# Altium PCB pcb.PcbDoc
Units mm, origin at the board's own origin, x right, y up, seen from the top; angles counter-clockwise.
Board outline 55 x 42 mm, 4 copper layers (Top Layer, MID1, MID2, Bottom Layer), stack 1.579 mm thick; 67 components, 39 nets, 252 pads, 61 vias.
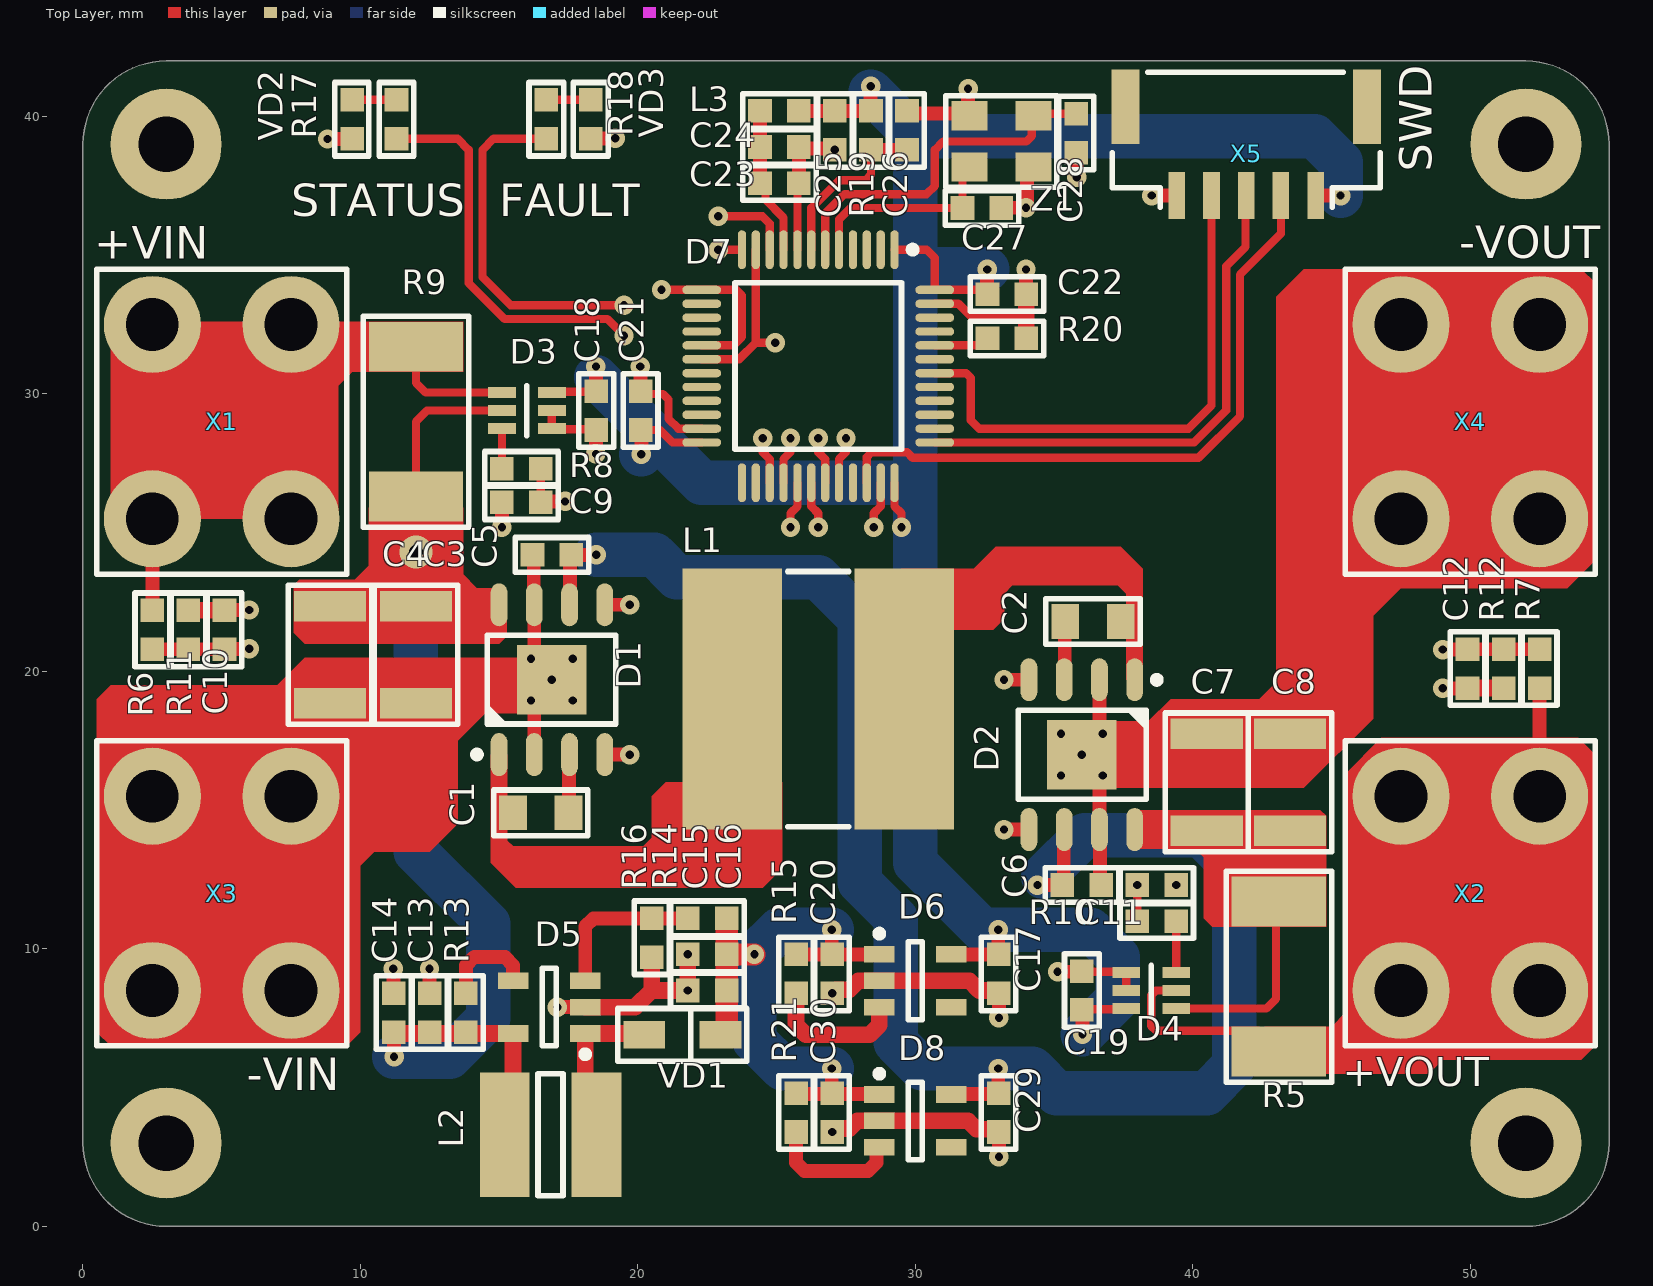
[diagram p0: Top Layer view]
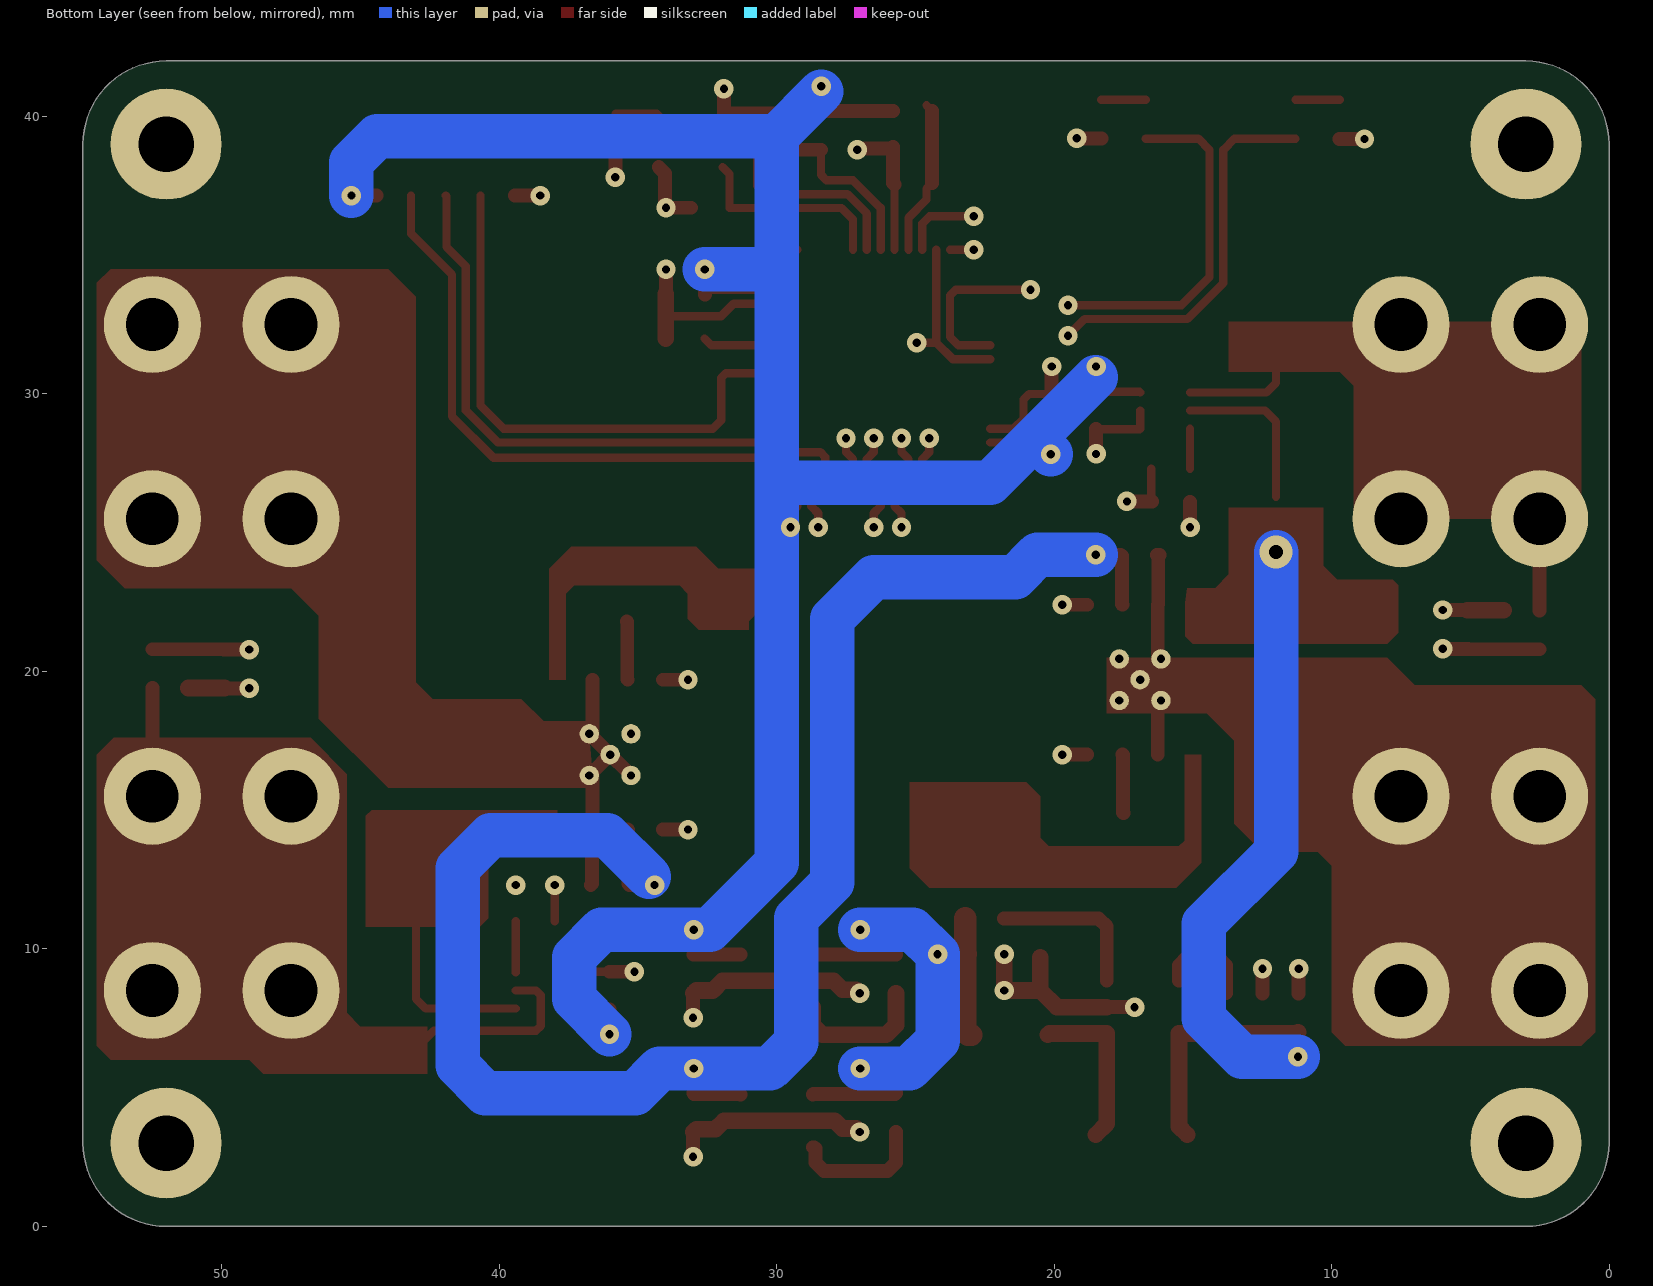
[diagram p1: Bottom Layer view, seen from below]
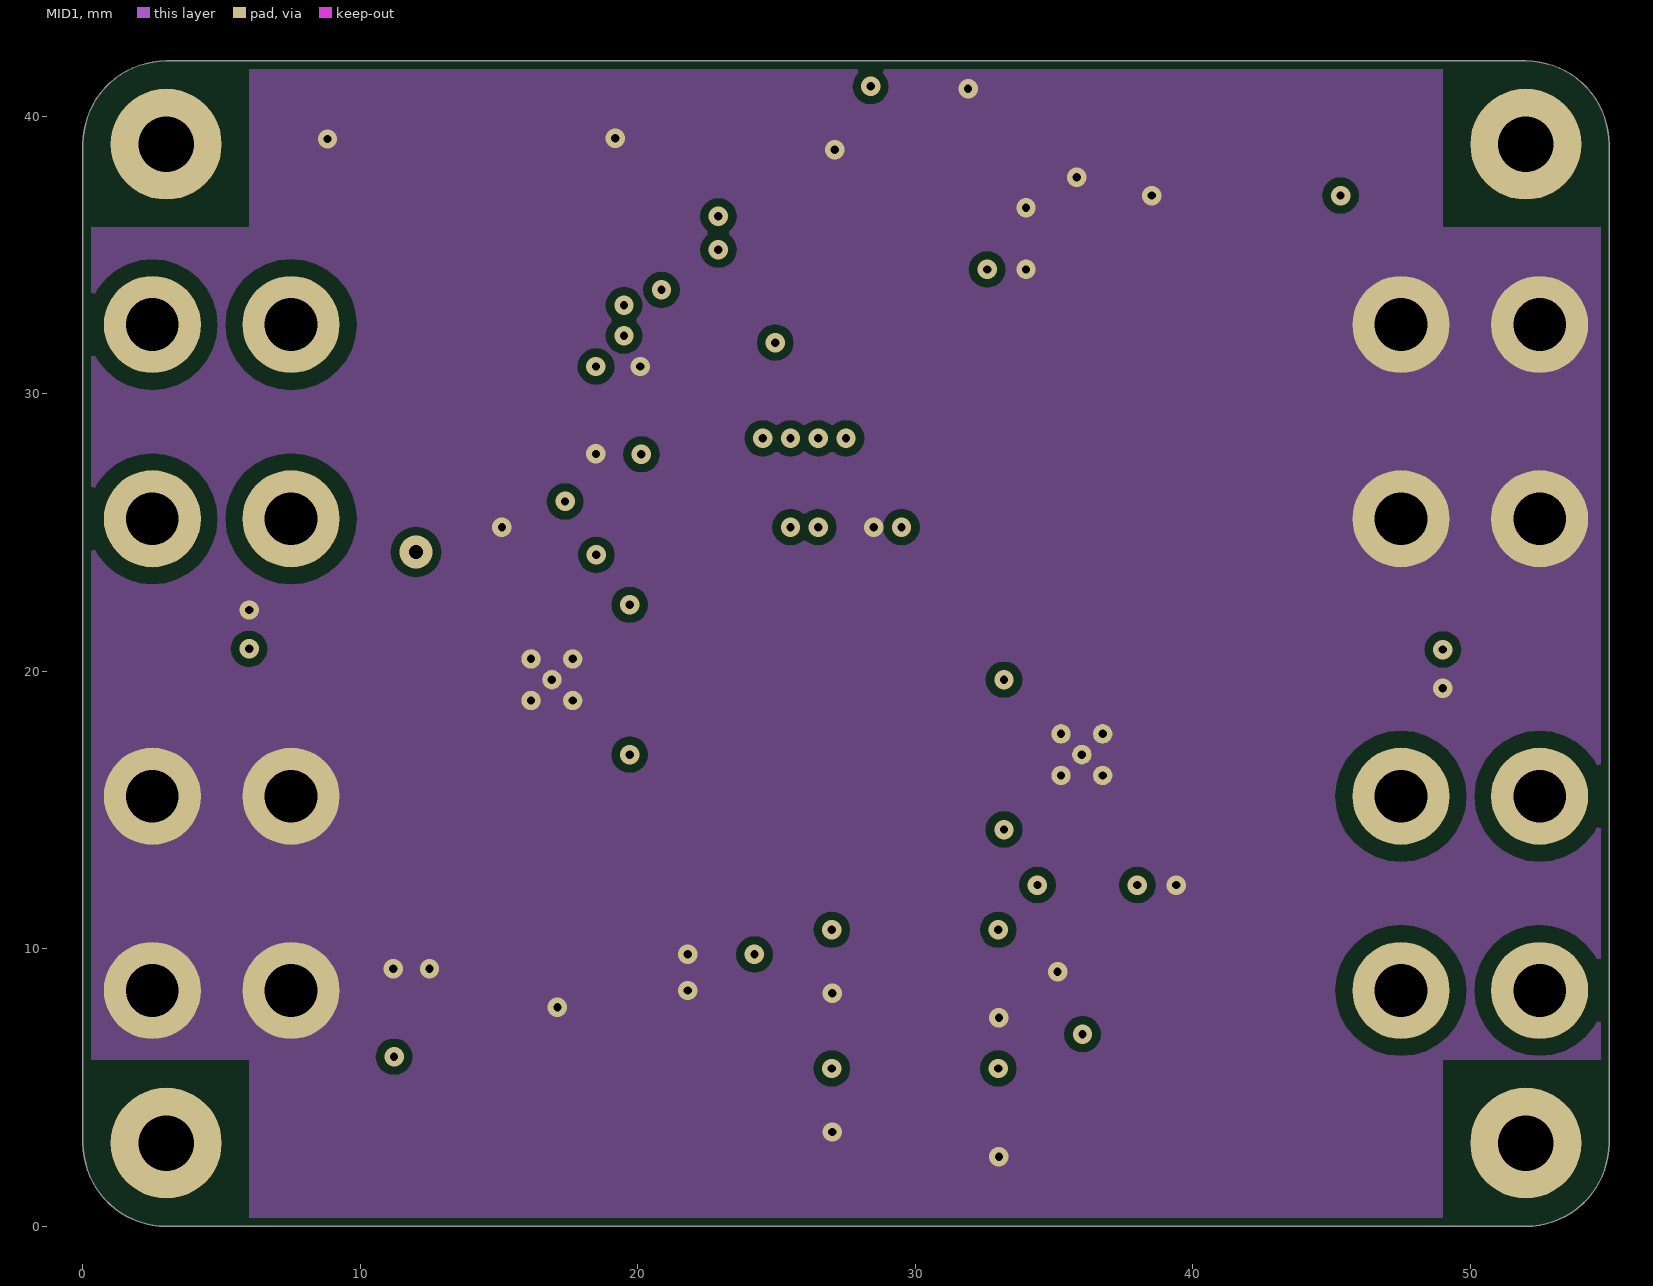
[diagram p2: MID1]
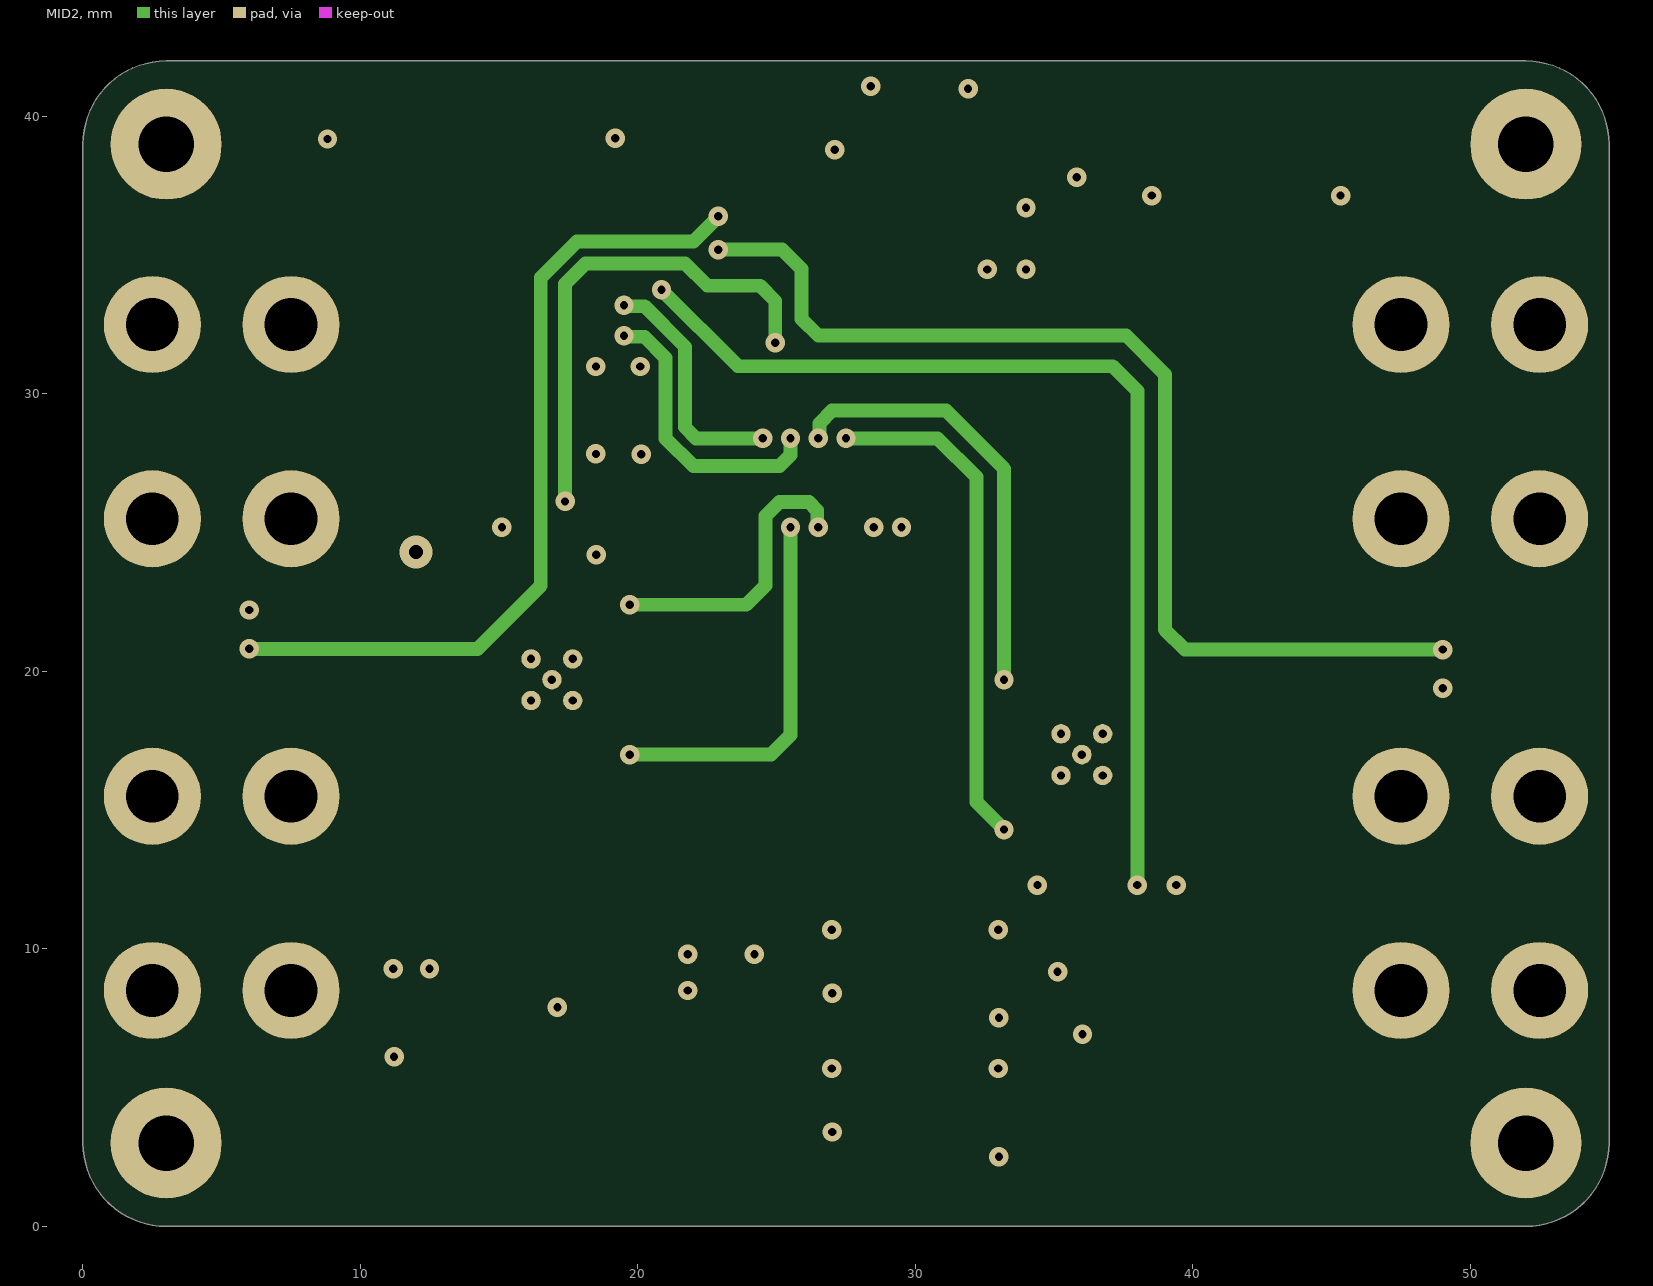
[diagram p3: MID2]
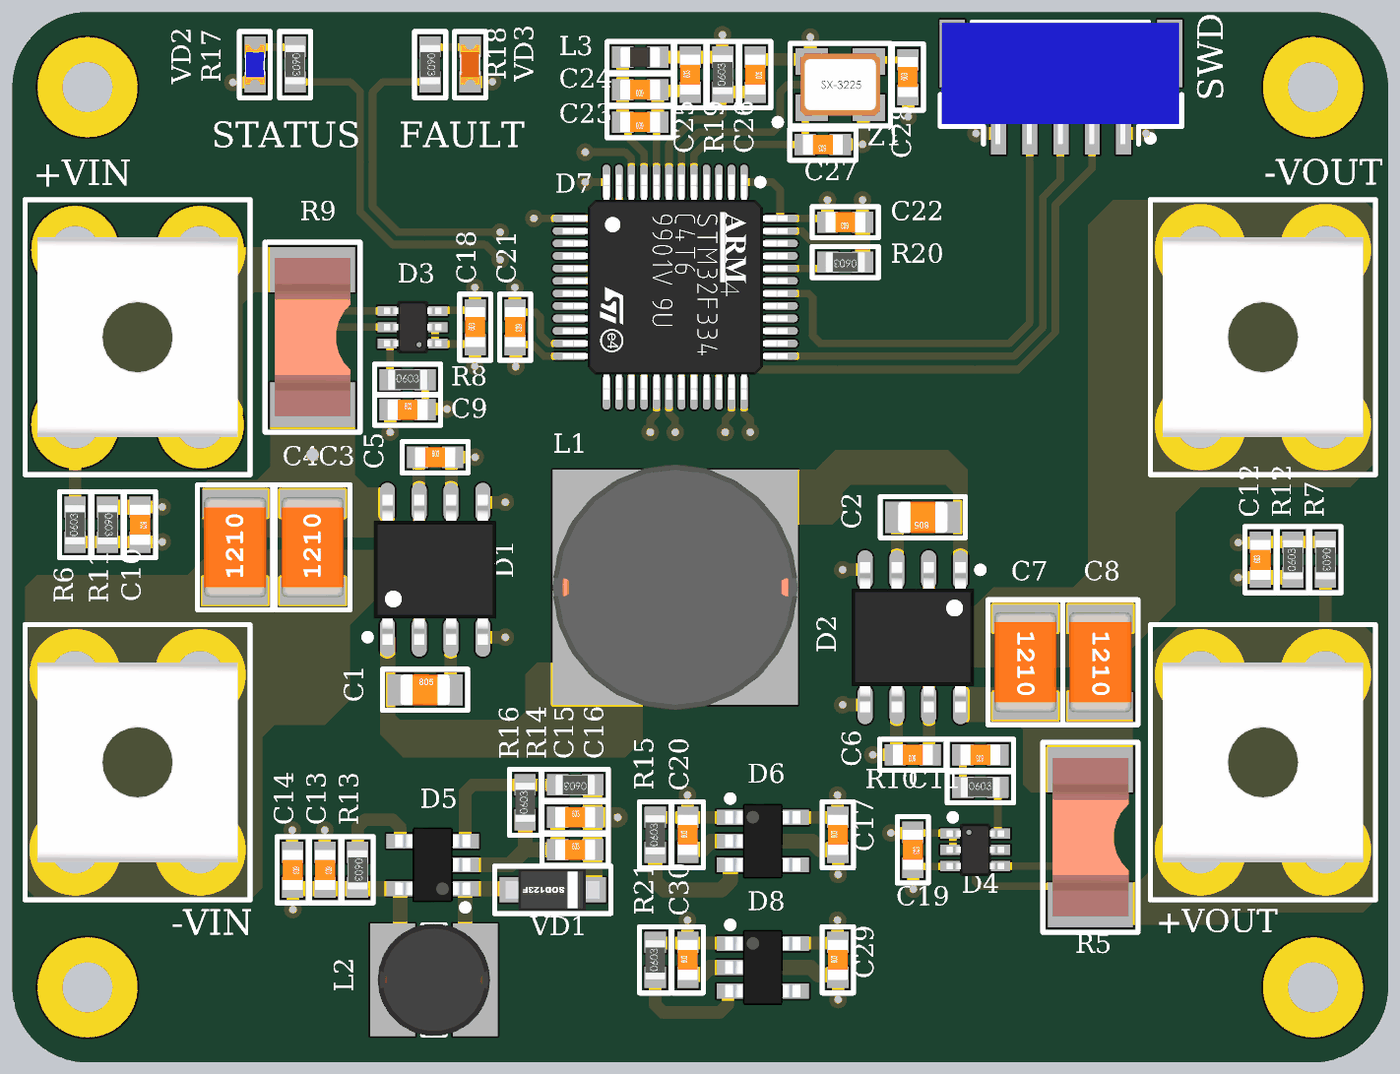
[diagram p4: 3D render of the assembled board from above, using the file's embedded part models]

## Layer stack, top to bottom
Top Solder: solder mask 0.0102, Solder Resist, Dk 3.5
Top Layer: signal copper 0.036
Dielectric 2: prepreg 0.0711, PP-006, Dk 4.1
MID1: signal copper 0.035
Dielectric 1: dielectric 1.295, FR-4, Dk 4.8
MID2: signal copper 0.035
Dielectric 3: prepreg 0.0711, PP-006, Dk 4.1
Bottom Layer: signal copper 0.036
Bottom Solder: solder mask 0.0102, Solder Resist, Dk 3.5

## Board outline
3,0 cw(c3,3) 0,3 0,39 cw(c3,39) 3,42 52,42 cw(c52,39) 55,39 55,3 cw(c52,3) 52,0

## Design rules (kind name [scope] priority, off if disabled: settings)
BoardOutlineClearance [All] p1: gap=0.3 ignorepadtopadclearanceinfootprint=FALSE
Clearance Clearance_MultiLayerPad [OnLayer('Multi-Layer') and IsPad] p1: gap=0.3 ignorepadtopadclearanceinfootprint=FALSE except(0: Arc-Hole Track-Hole SMDPad-Hole THPad-Hole Via-Hole Fill-Hole Poly-Hole Region-Hole Text-Hole; 0.6: THPad-Poly)
Clearance Clearance_Polygon [InPolygon] p2: gap=0.2 ignorepadtopadclearanceinfootprint=FALSE except(0: Arc-Hole Track-Hole SMDPad-Hole THPad-Hole Via-Hole Fill-Hole Poly-Hole Region-Hole Text-Hole; 0.3: Arc-Poly Arc-Region Track-Poly Track-Region SMDPad-Poly SMDPad-Region THPad-Poly THPad-Region Via-Poly Via-Region Fill-Poly Fill-Region Poly-Poly Poly-Region Region-Region)
Clearance [All] p3: gap=0.2 ignorepadtopadclearanceinfootprint=FALSE except(0: Arc-Hole Track-Hole SMDPad-Hole THPad-Hole Via-Hole Fill-Hole Poly-Hole Region-Hole Text-Hole)
ComponentClearance [All] p1: gap=0.2 collisioncheckmode=3 verticalgap=0.2 showdistances=FALSE
DiffPairsRouting [All] p1: maxlimit=0.4 minlimit=0.2 mostfreqgap=0.2 toplayer_minwidth=0.2 toplayer_maxwidth=0.3 toplayer_prefwidth=0.2 midlayer1_minwidth=0.2 midlayer1_maxwidth=0.3 midlayer1_prefwidth=0.2 midlayer2_minwidth=0.2 midlayer2_maxwidth=0.3 midlayer2_prefwidth=0.2 bottomlayer_minwidth=0.2 bottomlayer_maxwidth=0.3 bottomlayer_prefwidth=0.2 maxuncoupledlength=12.7
Height [All] p1: minheight=0 maxheight=50 prefheight=12.7
HoleSize [All] p1: absolutevalues=TRUE maxlimit=10 minlimit=0.2 maxpercent=80.000 minpercent=20.000
HoleToHoleClearance [All] p1: gap=0.3 allowstackedmicrovias=TRUE
MinimumSolderMaskSliver [All] p1: minsoldermaskwidth=-0.1
PlaneClearance [All] p1: clearance=0.5
PlaneConnect [All] p1: planeconnectstyle=Relief reliefexpansion=0.5 reliefentries=4 reliefconductorwidth=0.5 reliefairgap=0.3
PolygonConnect PolygonConnect_PadGND [InNet('GND') and IsPad] p1: connectstyle=Direct reliefconductorwidth=0.5 reliefentries=4 polygonreliefangle="90 Angle" airgapwidth=0.3
PolygonConnect PolygonConnect_Via [IsVia] p2: connectstyle=Direct reliefconductorwidth=0.254 reliefentries=4 polygonreliefangle="90 Angle" airgapwidth=0.254
PolygonConnect [All] p3: connectstyle=Relief reliefconductorwidth=0.5 reliefentries=4 polygonreliefangle="90 Angle" airgapwidth=0.3
RoutingTopology [All] p1: topology=Vertical
RoutingVias [All] p1: holewidth=0.2 width=0.4 viastyle="Through Hole" minholewidth=0.2 minwidth=0.4 maxholewidth=0.5 maxwidth=1.2
SilkToSilkClearance [All] p1: silktosilkclearance=-0.1
SilkToSolderMaskClearance [IsPad] p1: minsilkscreentomaskgap=-0.1 clearancetoexposedcopper=TRUE
SolderMaskExpansion [All] p1: expansion=0.075 istentingtop=FALSE
Width [All] p1: maxlimit=10 minlimit=0.2 preferedwidth=0.2
19 further rules are at their usual default settings.

## Classes and differential pairs
component class dsp: C21 C22 C23 C24 C25 C26 C27 C28 D7 L3 R17 R18 R19 R20 VD2 VD3 X5 Z1
component class converter: C1 C2 C3 C4 C5 C6 C7 C8 C9 C10 C11 C12 C13 C14 C15 C16 C17 C18 C19 C20 C29 C30 D1 D2 D3 D4 D5 D6 D8 L1 L2 R5 R6 R7 R8 R9 R10 R11 R12 R13 R14 R15 R16 R21 VD1 X1 X2 X3 X4

## Components (designator, comment, footprint, x,y, rotation, side; value= is the part's Value field where it differs from the comment)
C1 "Ceramic capacitor, 0.47μF, X7R, ±10%, 25V, 805, -55...+125°C" "CAP: 0805" 16.5,14.9 r0 top value=0.47μF
C2 "Ceramic capacitor, 0.47μF, X7R, ±10%, 25V, 805, -55...+125°C" "CAP: 0805" 36.4,21.8 r180 top value=0.47μF
C3 "Ceramic capacitor, 10μF, X7R, ±10%, 25V, 1210, -55...+125°C" "CAP: 1210" 12,20.6 r90 top value=10μF
C4 "Ceramic capacitor, 10μF, X7R, ±10%, 25V, 1210, -55...+125°C" "CAP: 1210" 8.9,20.6 r90 top value=10μF
C5 "Ceramic capacitor, 1μF, X7R, ±10%, 25V, 603, -55...+125°C" "CAP: 0603" 16.9,24.2 r0 top value=1μF
C6 "Ceramic capacitor, 1μF, X7R, ±10%, 25V, 603, -55...+125°C" "CAP: 0603" 36,12.3 r180 top value=1μF
C7 "Ceramic capacitor, 10μF, X7R, ±10%, 25V, 1210, -55...+125°C" "CAP: 1210" 40.5,16 r270 top value=10μF
C8 "Ceramic capacitor, 10μF, X7R, ±10%, 25V, 1210, -55...+125°C" "CAP: 1210" 43.5,16 r270 top value=10μF
C9 "Ceramic capacitor, 0.01μF, X7R, ±10%, 50V, 603, -55...+125°C" "CAP: 0603" 15.8,26.1 r0 top value=0.01μF
C10 "Ceramic capacitor, 0.01μF, X7R, ±10%, 50V, 603, -55...+125°C" "CAP: 0603" 5.1,21.5 r270 top value=0.01μF
C11 "Ceramic capacitor, 0.01μF, X7R, ±10%, 50V, 603, -55...+125°C" "CAP: 0603" 38.7,12.3 r180 top value=0.01μF
C12 "Ceramic capacitor, 0.01μF, X7R, ±10%, 50V, 603, -55...+125°C" "CAP: 0603" 49.9,20.1 r90 top value=0.01μF
C13 "Ceramic capacitor, 1μF, X7R, ±10%, 25V, 603, -55...+125°C" "CAP: 0603" 12.5,7.7 r270 top value=1μF
C14 "Ceramic capacitor, 1μF, X7R, ±10%, 25V, 603, -55...+125°C" "CAP: 0603" 11.2,7.7 r270 top value=1μF
C15 "Ceramic capacitor, 1μF, X7R, ±10%, 25V, 603, -55...+125°C" "CAP: 0603" 22.5,9.8 r0 top value=1μF
C16 "Ceramic capacitor, 1μF, X7R, ±10%, 25V, 603, -55...+125°C" "CAP: 0603" 22.5,8.5 r0 top value=1μF
C17 "Ceramic capacitor, 0.1μF, X7R, ±10%, 50V, 603, -55...+125°C" "CAP: 0603" 33,9.1 r90 top value=0.1μF
C18 "Ceramic capacitor, 0.1μF, X7R, ±10%, 50V, 603, -55...+125°C" "CAP: 0603" 18.5,29.4 r90 top value=0.1μF
C19 "Ceramic capacitor, 0.1μF, X7R, ±10%, 50V, 603, -55...+125°C" "CAP: 0603" 36,8.5 r270 top value=0.1μF
C20 "Ceramic capacitor, 0.1μF, X7R, ±10%, 50V, 603, -55...+125°C" "CAP: 0603" 27,9.1 r90 top value=0.1μF
C21 "Ceramic capacitor, 0.1μF, X7R, ±10%, 50V, 603, -55...+125°C" "CAP: 0603" 20.1,29.4 r270 top value=0.1μF
C22 "Ceramic capacitor, 0.1μF, X7R, ±10%, 50V, 603, -55...+125°C" "CAP: 0603" 33.3,33.6 r180 top value=0.1μF
C23 "Ceramic capacitor, 0.01μF, X7R, ±10%, 50V, 603, -55...+125°C" "CAP: 0603" 25.1,37.6 r180 top value=0.01μF
C24 "Ceramic capacitor, 1μF, X7R, ±10%, 25V, 603, -55...+125°C" "CAP: 0603" 25.1,38.9 r180 top value=1μF